# KiCad board Power Unit.kicad_pcb (continued)
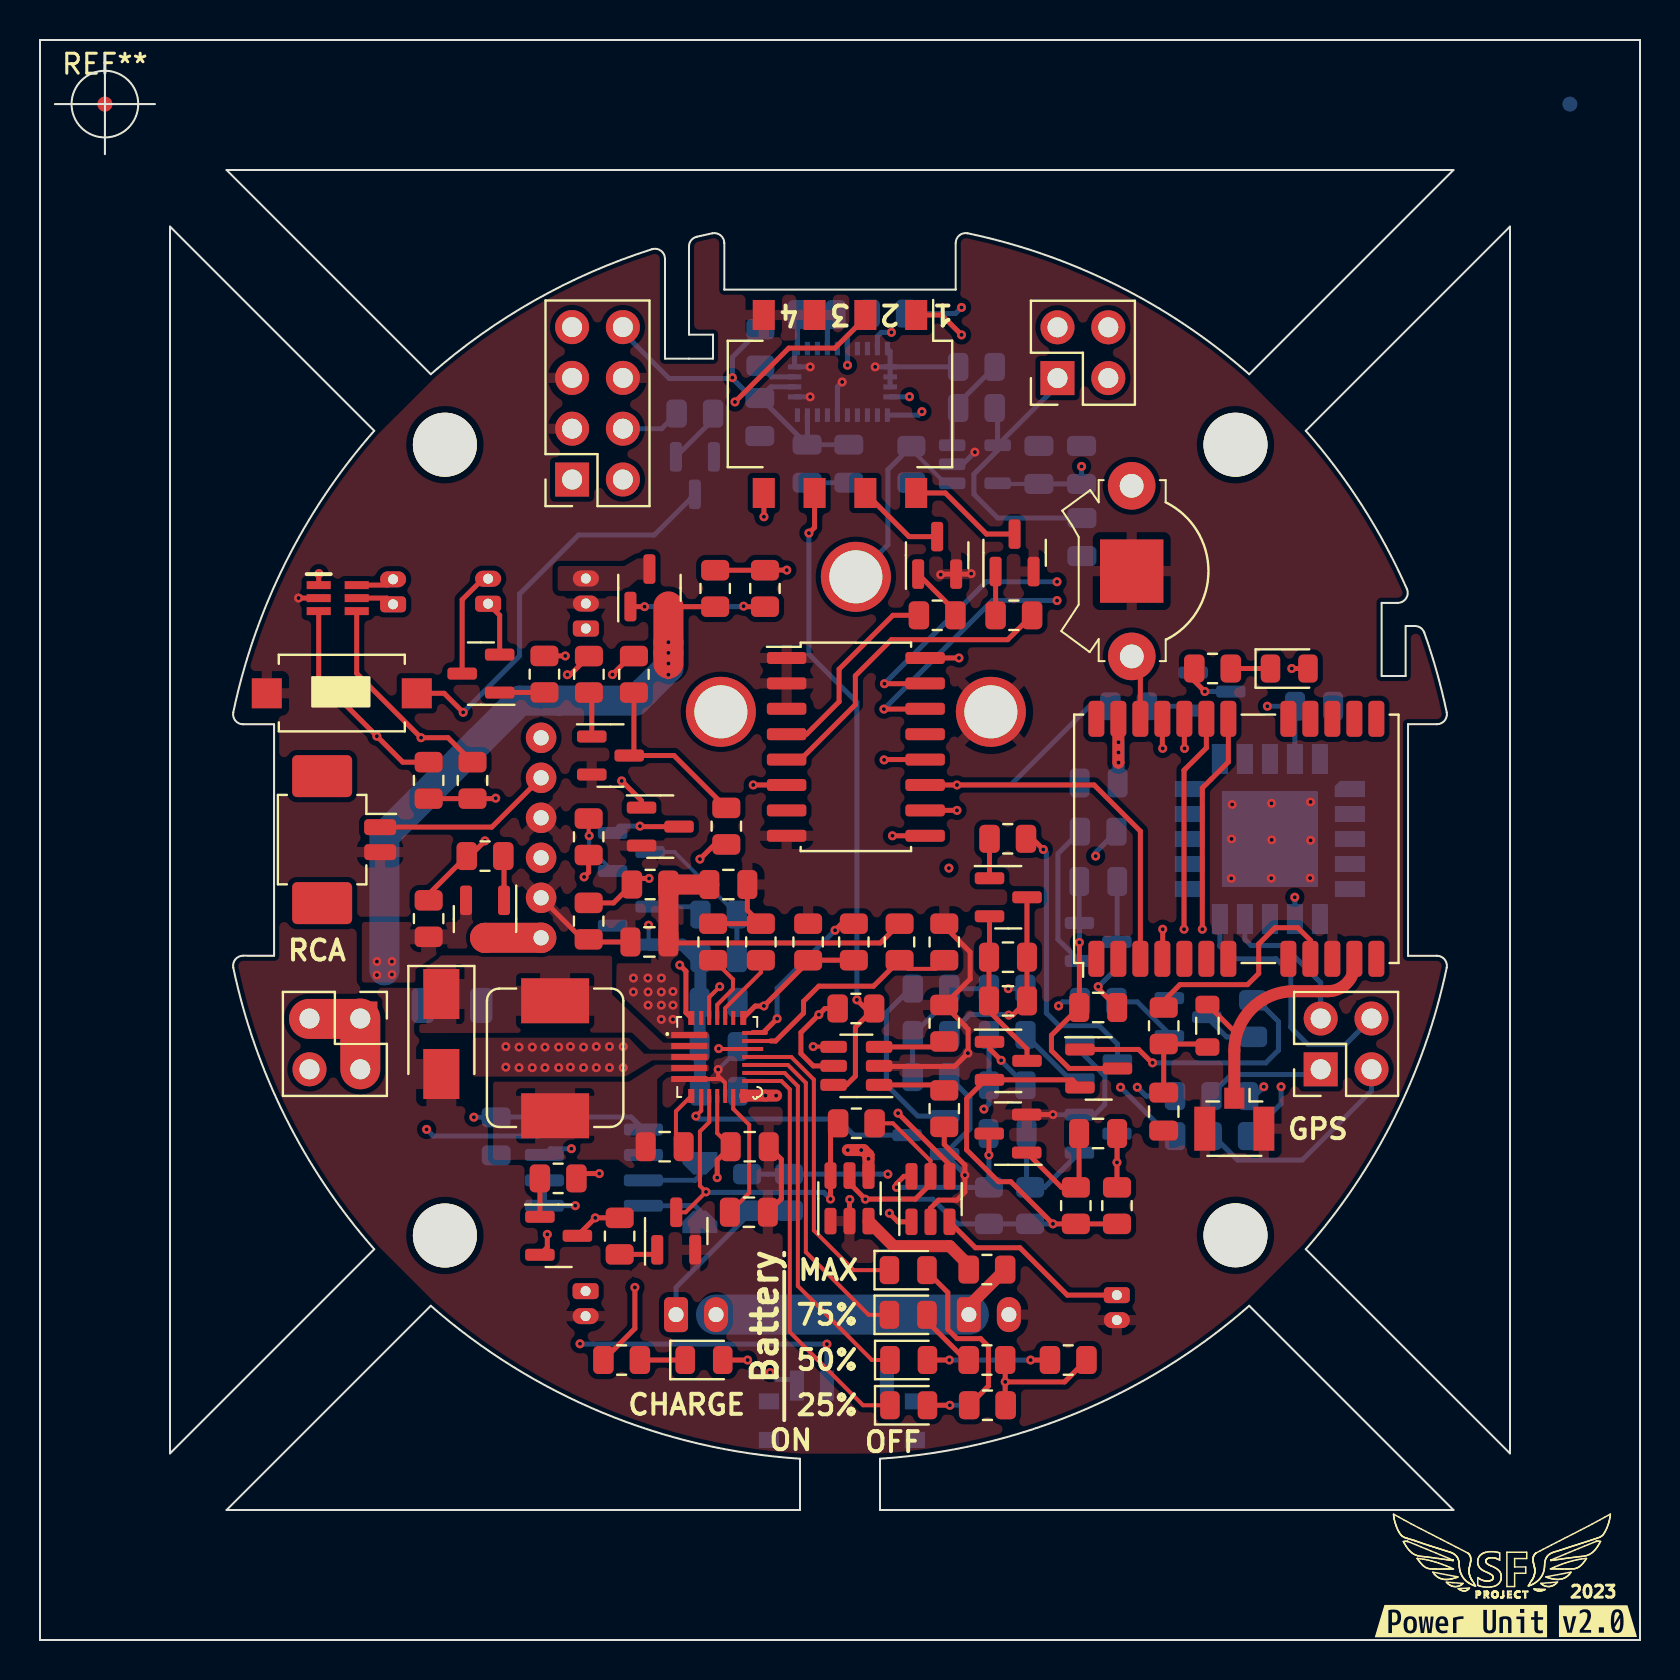
[diagram p0: board, top side]
## Nets
/Power Unit/GND: AE1001.2 BT302.2 BT1001.2 C401.1 C702.2 C703.2 C704.2 C705.2 C706.2 C707.2 C708.2 C801.2 C802.2 C803.2 C804.2 C901.2 C1001.1 C1002.1 C1101.2 C1102.2 C1103.2 D701.2 IC701.5 IC701.10 J101.3 J101.5 J101.6 J501.2 J502.2 Q201.2 Q202.2 Q203.2 Q204.2 Q206.2 Q209.2 Q210.2 Q301.2 Q302.2 Q1001.2 Q1203.2 Q1206.2 R218.2 R702.2 R703.2 R704.2 R707.2 R708.2 R709.2 R1101.2 R1103.1 R1204.1 RT702.2 SW201.3 SW201.4 SW202.1 SW203.1 TH301.2 TH302.2 U201.1 U201.2 U201.3 U201.8 U301.2 U401.6 U501.2 U601.2 U601.4 U701.2 U702.1 U702.2 U801.2 U801.5 U801.6 U801.15 U801.16 U801.17 U801.18 U801.25 U901.6 U901.20 U901.21 U1002.7 U1002.10 U1101.2 U1102.1
/Power Unit/VCC: C401.2 C801.1 C802.1 C803.1 C901.1 C1001.2 C1101.1 C1102.1 D1001.2 J101.7 J101.8 J102.3 R201.1 R202.1 R801.1 R802.2 U201.16 U401.1 U401.2 U401.5 U501.1 U801.3 U801.28 U901.7 U901.19 U1002.23 U1101.5
/Power Unit/VCC_5V: J104.1 J104.2 J104.3 R210.1
/Power Unit/VCC_{BCK}: C705.1 IC701.9 Q1201.2 Q1204.2 R205.1 R301.2 R302.2 R303.2 R304.2 R701.1 SW202.3 U301.5 U701.5 U702.5
/Power Unit/BAT_SENSE: J102.2 R216.2 R218.1
/Power Unit/BATT_INT: J101.4 R206.2
/Power Unit/Battery Pack/BAT_M: BT301.2 BT302.1 R715.2
/Power Unit/Battery Pack/NTC: IC701.20 RT701.1 RT702.1 U301.4
/Power Unit/Battery Pack/NTC_SWITCH: C301.1 Q301.3 R301.1 U301.6
/Power Unit/CAM_CONTROL: R501.1 U201.6
/Power Unit/Camera transmit/V_IN: Q212.3 U601.1
/Power Unit/Camera transmit/VIDEO: J501.1 J502.1 U601.5
/Power Unit/Camera/V_IN: J502.3 Q211.3
/Power Unit/CAMTRANS-FET: Q207.3 Q211.2 Q212.2 R219.1 R221.2
/Power Unit/CH_SLOW/FAST: R701.2 SW201.6 U701.6
/Power Unit/D delay/OUT: R208.2 R1201.2 R1203.2 R1204.2
/Power Unit/EXTINT_{GPS}: U201.10 U1002.4
/Power Unit/FPV_{SM_A}: J101.2 U601.6
/Power Unit/IMU_{INT}: J102.4 U801.14
/Power Unit/IS_CHARGE: Q208.3 R211.1 R217.1
/Power Unit/IS_USB: J101.1 Q208.2
/Power Unit/M_SWITCH: J104.4 R213.1 R1206.1 R1207.1 R1208.1 R1209.1 SW202.2
/Power Unit/MODE_{CH}: IC701.8 Q206.3 R205.2 U201.9 U702.6
/Power Unit/OXY_{OUT}: C1103.1 J102.1 R1102.2 U1101.4
/Power Unit/P_IN: BT301.1 R216.1 R401.1 U401.8
/Power Unit/P_OUT: C706.1 C707.1 C708.1 IC701.3 Q207.2 R207.1 R212.2 R401.2 U401.7
/Power Unit/RESET_{IMU}: R801.2 U201.12 U801.11
/Power Unit/SCL: J103.3 R201.2 U201.14 U401.4 U501.3 U801.19 U901.9
/Power Unit/SCL_{2}/TXD: J103.2 SW1002.2
/Power Unit/SDA: J103.4 R202.2 U201.15 U401.3 U501.4 U801.20 U901.10
/Power Unit/SDA_{2}/RXD: J103.1 SW1001.2
/Power Unit/SW_CAMERA: R219.2 R220.2 SW201.1
/Power Unit/SW_CAMERA_{IO}: R204.2 U201.4
/Power Unit/SW_CHARGE: R214.1 SW201.5
/Power Unit/SW_TRANSMIT: R221.1 R222.1 SW201.2
/Power Unit/SW_TRANSMIT_{IO}: R203.2 U201.5
/Power Unit/Switch-mode battery charger/BST: C701.2 IC701.6
/Power Unit/Switch-mode battery charger/FB: IC701.17 R704.1 R705.2
/Power Unit/Switch-mode battery charger/IB: IC701.21
/Power Unit/Switch-mode battery charger/ILIM: IC701.24 U701.4
/Power Unit/Switch-mode battery charger/ISET: IC701.23 R707.1
/Power Unit/Switch-mode battery charger/LX: D701.1 IC701.2 L701.2
/Power Unit/Switch-mode battery charger/OLIM: IC701.22 R708.1
/Power Unit/Switch-mode battery charger/SW: C701.1 IC701.4 L701.1
/Power Unit/Switch-mode battery charger/TMR: C704.1 IC701.11
/Power Unit/Switch-mode battery charger/VL: C702.1 C703.1 IC701.1 R210.2 R705.1 R706.1
/Power Unit/Switch-mode battery charger/VLIM: IC701.18 R706.2 R709.1
/Power Unit/Switch-mode battery charger/VNTC: D706.2 IC701.19 R711.1 R712.1 R713.1 R714.1 RT701.2
/Power Unit/Switch-mode battery charger/~{ACLK}: IC701.25
/Power Unit/Switch-mode battery charger/~{CHG}: IC701.26 R710.2
/Power Unit/Switch-mode battery charger/~{PB}: IC701.7 Q203.3 Q204.3 SW203.2
/Power Unit/TIMEPULSE_{GPS}: R1003.1 U201.11 U1002.3
Net-(AE1001-Pad1): AE1001.1 L1001.2 U1002.11
Net-(BT1001-Pad1): BT1001.1 U1002.22
Net-(C301-Pad2): C301.2 Q302.1 R302.1
Net-(C302-Pad1): C302.1 Q301.1 R303.1
Net-(C302-Pad2): C302.2 Q302.3 R304.1
Net-(C804-Pad1): C804.1 U801.9
Net-(C1002-Pad2): C1002.2 L1001.1 R1001.1
Net-(C1201-Pad1): C1201.1 C1202.1 Q1201.3 Q1202.2
Net-(C1201-Pad2): C1201.2 C1202.2 Q1202.3 R1201.1
Net-(C1203-Pad1): C1203.1 C1204.1 Q1204.3 Q1205.2
Net-(C1203-Pad2): C1203.2 C1204.2 Q1205.3 R1203.1
Net-(D702-Pad1): D702.1 IC701.13
Net-(D702-Pad2): D702.2 R711.2
Net-(D703-Pad1): D703.1 IC701.14
Net-(D703-Pad2): D703.2 R712.2
Net-(D704-Pad1): D704.1 IC701.15
Net-(D704-Pad2): D704.2 R713.2
Net-(D705-Pad1): D705.1 IC701.16
Net-(D705-Pad2): D705.2 R714.2
Net-(D706-Pad1): D706.1 R710.1
Net-(D1001-Pad1): D1001.1 R1002.1
Net-(IC701-Pad12): IC701.12 U702.4
Net-(J503-Pad1): J503.1 Q501.2
Net-(J503-Pad2): J503.2 Q501.3
Net-(J504-Pad1): J504.1 U501.5
Net-(J504-Pad2): J504.2 U501.6
Net-(Q201-Pad1): Q201.1 R203.1
Net-(Q201-Pad3): Q201.3 SW201.8
Net-(Q202-Pad1): Q202.1 R204.1
Net-(Q202-Pad3): Q202.3 SW201.7
Net-(Q203-Pad1): Q203.1 R206.1
Net-(Q204-Pad1): Q204.1 R208.1
Net-(Q205-Pad1): Q205.1 R213.2
Net-(Q205-Pad2): Q205.2 Q209.3
Net-(Q205-Pad3): Q205.3 R207.2 R209.2
Net-(Q206-Pad1): Q206.1 R211.2
Net-(Q207-Pad1): Q207.1 R209.1
Net-(Q208-Pad1): Q208.1 R214.2
Net-(Q209-Pad1): Q209.1 R215.2
Net-(Q210-Pad1): Q210.1 R217.2
Net-(Q210-Pad3): Q210.3 R212.1 R215.1
Net-(Q211-Pad1): Q211.1 R220.1
Net-(Q212-Pad1): Q212.1 R222.2
Net-(Q501-Pad1): Q501.1 R501.2
Net-(Q1001-Pad1): Q1001.1 R1003.2
Net-(Q1001-Pad3): Q1001.3 R1002.2
Net-(Q1201-Pad1): Q1201.1 R1202.2
Net-(Q1202-Pad1): Q1202.1 R1209.2
Net-(Q1203-Pad1): Q1203.1 R1208.2
Net-(Q1203-Pad3): Q1203.3 R1202.1
Net-(Q1204-Pad1): Q1204.1 R1206.2
Net-(Q1205-Pad1): Q1205.1 R1205.2
Net-(Q1206-Pad1): Q1206.1 R1207.2
Net-(Q1206-Pad3): Q1206.3 R1205.1
Net-(R702-Pad1): R702.1 U701.3
Net-(R703-Pad1): R703.1 U701.1
Net-(R715-Pad1): R715.1 U702.3
Net-(R802-Pad1): R802.1 U801.4
Net-(R1001-Pad2): R1001.2 U1002.9
Net-(R1101-Pad1): R1101.1 U1101.1 U1102.2
Net-(R1102-Pad1): R1102.1 R1103.2 U1101.3
Net-(SW1001-Pad1): SW1001.1 U1002.18
Net-(SW1001-Pad3): SW1001.3 U1002.20
Net-(SW1002-Pad1): SW1002.1 U1002.19
Net-(SW1002-Pad3): SW1002.3 U1002.21
Net-(TH301-Pad1): TH301.1 U301.3
Net-(TH302-Pad1): TH302.1 U301.1

Pads without a net: J501 MP; SW202 MP; U201 7 13; U601 3; U801 1 7 8 10 12 13 21 22 23 24 26 27; U901 1 2 3 4 5 8 11 12 13 14 15 16 17 18; U1002 1 2 5 6 8 12 13 14 15 16 17 24; U1102 3

## Via types
v1: diameter 0.45, hole 0.2, Top to Bottom, 171 vias

## Routing (per net, layer and track width the routed paths; a pad name or vN(x,y) marks a point on that pad's centre or on a via; arc(x,y) is an arc through that point)
/Power Unit/GND: length 72.9
  Top w0.2: 32.27,28.05 IC701.5 34.06,28.05 34.18,27.93 ; 34.18,27.93 33.91,28.2 v1(33.91,28.53) ; 34.18,27.93 34.26,27.85 IC701.10
  Top w0.25: C705.2 37.07,24.03 37.07,22.06 C704.2 ; Q301.2 v1(50.65,26.27) ; U301.2 44.52,21.59 44.93,21.99 45.84,21.99 46.24,22.39 v1(46.24,23.24) 46.24,23.75 45.21,24.78 R703.2 ; U702.2 40.47,22.01 v1(40.49,22.02) ; C702.2 27.56,34.9 R704.2 27.13,35.03 U601.2 ; R707.2 R708.2 35.37,36.49 C703.2 ; U501.2 12.93,52.09 v1(12.93,52.1) ; 41.96,28.71 U701.2 41.98,28.68 45.73,28.68 v1(46.39,29.34) 46.41,29.36 46.41,30.53 46.25,30.69 46.25,30.71 R702.2 46.51,33.05 46.51,34.39 45.21,35.69 R709.2 ; v1(46.56,53.32) 46.54,53.29 Q202.2 45.06,53.29 v1(45.04,53.27)
  Bottom w0.2: C707.2 34.89,29.5 v1(33.91,28.53)
  Bottom w0.25: U801.25 39.87,62.66 v1(40.11,62.9) ; U801.16 42.51,64.43 U801.15 ; U801.16 U801.18 ; U801.16 v1(41.76,63.66) ; U801.16 45.91,63.66 R1103.1 ; Q302.2 52.73,26.27 53.24,26.77 53.24,28.2 52,29.44 Q1206.2 ; Q302.2 50.65,26.27 v1(50.65,26.27) ; Q302.2 51.95,26.29 ; C802.2 C803.2 ; v1(38.51,63.66) 38.51,63.66 U801.5 37.73,64.43 U801.6 37.87,66.25 C804.2 ; v1(38.51,62.16) U801.2 ; v1(46.24,23.24) 46.24,23.28 Q204.2 46.49,25.56 46.49,27.11 R1204.1 45.46,28.41 v1(46.39,29.34) ; v1(46.74,59.39) 46.14,58.79 U1101.2
  vias: v1(59.58,40.05) v1(59.56,38.08) v1(59.61,41.78) v1(61.57,41.83) v1(61.56,38.09) v1(61.58,40.01) v1(63.53,41.9) v1(63.53,39.98) v1(63.5,38.1)
/Power Unit/VCC: length 55.7
  Top w0.25: R201.1 R202.1 22.76,42.07 v1(22.78,42.09) ; v1(13.95,53.32) 13.93,53.31 U501.1 ; U201.16 v1(45.95,49.1) ; D1001.2 v1(62.59,48.57)
  Top w0.6: U1002.23 53.92,43.88 v1(53.93,43.87)
  Bottom w0.2: C1101.1 47.92,57.8 U1101.5
  Bottom w0.25: C1101.1 C1102.1 v1(52.08,58.68) ; v1(46.08,66.63) 45.77,66.32 R801.1 ; 62.74,46.68 U901.19 ; U901.7 62.74,37.14 v1(62.74,37.14) ; U401.2 U401.1 v1(26.76,21.71) ; C803.1 C802.1 ; C803.1 38.37,59.78 U801.28 ; C803.1 36.02,62.1 C801.1 ; C801.1 36.55,62.66 U801.3 ; C801.1 35.59,62.1 34.62,63.07 ; J101.8 29.14,65.39 31.46,63.07 34.62,63.07 ; 34.62,63.07 v1(34.62,63.12) 34.62,64.14 R802.2 ; 30.17,25.54 29.56,26.15 22.82,26.15 C401.2 21.7,26.13 v1(21.69,26.14) ; C901.1 v1(61.37,46.69)
  Bottom w0.6: v1(53.93,44.88) 53.93,42.89 C1001.2
  vias: v1(53.93,44.38)
/Power Unit/VCC_5V: length 5.1
  Top w2: 13.45,31.05 15.99,31.05 ; J104.1 J104.3
/Power Unit/VCC_{BCK}: length 77.7
  Top w0.2: R205.1 42.65,25.83 44.52,23.96 U301.5 ; 33.86,23.09 v1(33.86,23.12) ; C705.1 33.86,25.34 IC701.9
  Top w0.25: U702.5 40.47,22.84 41.27,22.05 43.77,22.05 44.52,22.8 U301.5 ; C705.1 33.86,23.99 33.86,23.09 ; Q1201.2 51.62,28.01 Q1204.2 47.27,28.01 46.33,27.07 46.33,24.51 47.93,22.91 48.54,22.91 v1(50.65,20.81) R303.2 R304.2 ; R701.1 39.25,31.58 v1(38.94,31.27) 38.05,30.37 38.05,29.32 38.66,28.71 U701.5
  In1.Cu w0.25: v1(38.94,31.27) 39.5,30.71 39.5,23.96 41.27,22.19 v1(41.27,22.04)
  In2.Cu w0.2: 36.44,13.43 36.44,18.27
  In2.Cu w0.25: 36.44,18.52 36.44,18.27 36.44,18.32 36.64,18.52 ; 36.44,18.52 36.44,18.77 ; 36.44,18.52 36.64,18.52 ; v1(41.27,22.04) 41.27,20.8 38.99,18.52 36.64,18.52 ; v1(33.86,23.12) 33.86,21.73 36.44,19.14 36.44,18.77 ; 36.44,18.77 36.64,18.57 36.64,18.52 ; v1(36.5,13.37) 36.44,13.43
  Bottom w0.25: 37.84,13.02 36.85,13.02 v1(36.5,13.37) ; v1(50.65,20.81) R302.2 R301.2 45.87,20.81 44.64,22.04 v1(41.27,22.04)
/Power Unit/BAT_SENSE: length 51.4
  In1.Cu w0.25: J102.2 51.44,61.12 51.44,44.59 v1(45.44,38.59)
  In2.Cu w0.25: v1(42.39,23.29) 45.44,26.34 v1(45.44,38.59)
  Bottom w0.25: R216.2 R218.1 v1(42.39,23.29)
/Power Unit/BATT_INT: length 3
  Bottom w0.25: J101.4 31.07,60.56 R206.2
/Power Unit/Battery Pack/BAT_M: length 15.6
  Top w0.6: BT302.1 46.44,16.7 48.26,18.52 R715.2
  Bottom w2: BT301.2 BT302.1
/Power Unit/Battery Pack/NTC: length 20
  Top w0.25: U301.4 45.47,23.77 v1(42.9,26.34) ; IC701.20 35.76,31.7 36.19,31.7 v1(36.2,31.7) 38.41,33.91 RT702.1 RT701.1
  In2.Cu w0.25: v1(36.2,31.7) 37.62,31.7 42.9,26.42 v1(42.9,26.34)
/Power Unit/Battery Pack/NTC_SWITCH: length 9.5
  Top w0.25: U301.6 43.2,23.18 42.83,22.81 v1(42.83,22.63) ; v1(47.44,24.24) 47.44,25.31 Q301.3
  Bottom w0.25: v1(42.83,22.63) 42.83,22.63 R301.1 47.45,24.24 v1(47.44,24.24) 47.44,25.31 C301.1
/Power Unit/CAM_CONTROL: length 14.8
  Top w0.25: R501.1 v1(26.26,49.2) ; v1(35.66,42.75) U201.6
  In1.Cu w0.25: v1(35.66,42.75) 32.72,42.75 v1(26.26,49.2)
/Power Unit/Camera transmit/V_IN: length 2.8
  Top w1.5: U601.1 22.25,35.11 Q212.3
/Power Unit/Camera transmit/VIDEO: length 17.5
  Top w0.25: J501.1 22.59,40.64 U601.5
  In2.Cu w0.25: U601.5 27.29,45.35 J502.1
/Power Unit/CAMTRANS-FET: length 30.9
  Top w0.25: R219.1 31.43,51.66 Q211.2
  Top w1.5: Q211.2 v1(31.42,49.89) v1(31.42,49.36) v1(31.42,48.82)
  Bottom w1.5: v1(31.42,49.89) 31.42,48.62 29.77,46.97 23.98,46.97 17.22,40.21 17.22,33.48
  vias: v1(16.85,33.92) v1(16.85,33.25) v1(17.6,33.92) v1(17.6,33.27) v1(31.42,48.26)
/Power Unit/CH_SLOW/FAST: length 32.5
  Top w0.25: SW201.6 38.73,55.63 v1(38.44,55.34) ; U701.6 40.33,27.76 40.77,28.2 40.77,30.64 R701.2 41.28,31.58 v1(40.84,32.01)
  Bottom w0.25: v1(38.44,55.34) 38.44,49.29 40.84,46.89 v1(40.84,32.01)
/Power Unit/D delay/OUT: length 7.2
  Bottom w0.25: R1201.2 R208.2 45.47,32.08 R1203.2 43.63,30.25 R1204.2
/Power Unit/EXTINT_{GPS}: length 16.7
  Top w0.25: v1(45.85,41.48) U201.10 ; v1(56.13,35.54) 56.13,34.08 U1002.4
  In2.Cu w0.25: v1(45.85,41.48) 51.64,41.48 56.13,36.99 v1(56.13,35.54)
/Power Unit/FPV_{SM_A}: length 14.6
  In2.Cu w0.25: U601.6 25.05,52.57 29.14,56.66 J101.2
/Power Unit/IMU_{INT}: length 13.2
  In2.Cu w0.25: v1(42.57,65.38) 43.61,64.34 52.12,64.34 J102.4
  Bottom w0.25: U801.14 41.87,65.18 42.07,65.38 v1(42.57,65.38)
/Power Unit/IS_CHARGE: length 34.1
  Top w0.25: R217.1 26.51,48.26 v1(26.37,48.26) ; Q208.3 v1(27.76,21.11) R211.1
  In1.Cu w0.25: v1(27.76,21.11) 30.71,24.05 30.71,30.13 28.12,32.72 28.12,46.51 v1(26.37,48.26)
/Power Unit/IS_USB: length 44.6
  Top w0.25: v1(25.37,20.28) 25.37,19.63 Q208.2
  In2.Cu w0.25: v1(25.37,20.28) 25.37,21.35 20.45,26.27 20.45,53.75 24.72,58.02 J101.1
/Power Unit/M_SWITCH: length 106.9
  Top w0.25: R213.1 27.43,38.38 v1(27.2,38.15)
  In1.Cu w0.25: 13.45,28.51 13.45,28.41 17.88,23.98 26.98,23.98 29.92,26.93 29.92,29.77 27.2,32.49 v1(27.2,38.15) ; v1(52.78,39.2) 50.93,37.34 v1(50.93,31.7)
  In2.Cu w0.25: 13.45,28.51 15.47,26.5 19.22,26.5 24.74,20.97 24.74,17.07 v1(27,14.81) ; v1(50.93,31.7) 50.93,30.28 v1(47.19,26.54) 46.84,26.19 46.84,20.19 41.44,14.79 v1(39.34,14.79)
  Bottom w0.25: R1209.1 52.78,39.38 v1(52.78,39.2) ; v1(27,14.81) 27.02,14.79 v1(39.34,14.79) 39.34,14.79 SW202.2 ; R1208.1 51.13,31.91 v1(50.93,31.7) ; R1207.1 R1206.1 47.45,26.8 v1(47.19,26.54)
/Power Unit/MODE_{CH}: length 40.7
  Top w0.2: Q206.3 32.28,21.39 v1(33.3,22.41) 33,22.71 33,25.43 33.46,25.9 IC701.8 ; 39.52,22.05 v1(39.52,22.05)
  Top w0.25: R205.2 39.52,25.45 U702.6 39.52,22.05 ; v1(42.62,40.21) U201.9
  In1.Cu w0.25: v1(42.62,40.21) 41.2,40.21 37.77,36.78 37.77,23.8 v1(39.52,22.05)
  Bottom w0.25: v1(33.3,22.41) 33.33,22.38 39.19,22.38 v1(39.52,22.05)
/Power Unit/OXY_{OUT}: length 15.4
  Bottom w0.25: U1101.4 47.88,59.48 46.69,58.29 46.69,57.29 47.89,56.1 C1103.1 ; U1101.4 47.88,61.45 R1102.2 ; U1101.4 50.87,62.73 J102.1
/Power Unit/P_IN: length 10.3
  Bottom w0.25: 32.99,20.81 32.99,21.47 32.74,21.72 32.09,21.72 32.09,21.71 U401.8 ; R216.1 35.36,21.19 31.8,17.63 BT301.1
/Power Unit/P_OUT: length 20
  Top w0.25: v1(32.99,39.04) 33.73,39.78 R212.2
  In2.Cu w0.25: v1(32.99,39.04) 30.43,36.48 v1(30.43,35.74)
  Bottom w0.2: v1(30.43,35.74) 30.43,34.84 Q207.2
  Bottom w0.25: U401.7 32.76,22.98 32.99,23.22 32.99,23.73
  Bottom w0.6: R207.1 32.8,34.09 32.12,34.77 Q207.2 ; R207.1 33.02,31.92 C708.1 C707.1 33,29.66 C706.1 ; R207.1 33.02,34.04
  vias: v1(23.29,29.67) v1(23.29,28.64) v1(23.95,29.64) v1(23.95,28.62) v1(24.61,29.64) v1(24.61,28.62) v1(25.25,29.64) v1(25.25,28.62) v1(25.93,29.64) v1(25.93,28.62) v1(26.52,29.67) v1(26.52,28.64) v1(27.18,29.64) v1(27.18,28.62) v1(27.81,29.67) v1(27.81,28.62) v1(28.47,29.67) v1(28.47,28.62) v1(29.16,29.67) v1(29.16,28.62)
/Power Unit/RESET_{IMU}: length 26.3
  Top w0.25: v1(42.2,44) 42.22,44.02 U201.12
  In2.Cu w0.25: v1(40.38,63.74) 40.4,63.74 42.99,61.14 42.99,44.79 v1(42.2,44)
  Bottom w0.25: R801.2 40.37,65.21 U801.11 40.38,64.56 v1(40.38,63.74)
/Power Unit/SCL: length 139.5
  Top w0.25: R201.2 18.14,43.89 v1(16.84,45.19) 13.93,48.1 U501.3 ; v1(42.19,46.54) 44.24,46.54 U201.14
  In1.Cu w0.25: v1(43.47,62.16) 36.74,55.43 22.02,55.43 19.51,52.91 19.51,48.39 16.84,45.72 v1(16.84,45.19) 16.84,36.6 18.39,35.06 18.39,26.47 v1(19.33,25.53)
  In2.Cu w0.25: J103.3 65.08,32.12 65.08,43.85 56.96,51.97 v1(50.85,51.97) 43.47,59.35 v1(43.47,62.16)
  Bottom w0.25: v1(19.33,25.53) 19.66,25.2 24.89,25.2 U401.4 ; U801.19 43.47,62.16 v1(43.47,62.16) ; J103.3 64.03,32.87 62.18,34.72 60.55,34.72 60.24,35.04 U901.9 ; v1(42.19,46.54) 47.62,51.97 v1(50.85,51.97)
/Power Unit/SCL_{2}/TXD: length 11.1
  Bottom w0.25: 58.57,25.3 59.88,23.99 63.11,23.99 66.57,27.46 J103.2
/Power Unit/SDA: length 145.3
  Top w0.25: U501.4 15.83,48.33 v1(19.05,45.11) 20.4,45.11 R202.2 ; U201.15 44.24,47.81 v1(42.22,47.81)
  In1.Cu w0.25: v1(44.1,61.42) 43.66,61.42 37.02,54.77 22.44,54.77 20.3,52.63 20.3,48.01 19.05,46.76 v1(19.05,45.11) 19.05,26.95 21.44,24.56 v1(26.57,24.56)
  In2.Cu w0.25: v1(44.1,61.42) 44.1,59.67 v1(50.85,52.91) 57.03,52.91 66.52,43.42 66.52,31.13 J103.4
  Bottom w0.25: U801.20 43.92,61.24 v1(44.1,61.42) ; v1(50.85,52.91) 47.31,52.91 42.22,47.82 v1(42.22,47.81) ; U401.3 25.53,24.56 v1(26.57,24.56) ; J103.4 65.27,29.77 63.4,29.77 62.54,30.64 62.54,33.33 61.8,34.06 59.61,34.06 58.98,34.7 58.99,34.71 U901.10
/Power Unit/SDA_{2}/RXD: length 6
  Bottom w0.25: 58.6,27.19 58.6,27.3 59.58,28.27 63.77,28.27 J103.1
/Power Unit/SW_CAMERA: length 22
  Top w0.25: SW201.1 45.08,66.25 v1(46.08,65.26) ; R219.2 R220.2 36.25,53.5 v1(37.34,53.5)
  In1.Cu w0.25: v1(37.34,53.5) 38,53.5 46.08,61.58 v1(46.08,65.26)
/Power Unit/SW_CAMERA_{IO}: length 10
  Top w0.25: R204.2 42.65,51.23 39.96,48.54 39.96,46.92 38.33,45.29 U201.4
/Power Unit/SW_CHARGE: length 45.2
  Top w0.25: R214.1 27.06,23.32 v1(27.97,23.32) ; SW201.5 36.2,57.34 v1(36.2,56.16)
  In2.Cu w0.25: v1(27.97,23.32) 30.76,23.32 33.45,26.01 33.45,27.08 28.04,32.49 28.04,36.54 36.64,45.14 36.64,55.71 v1(36.2,56.16)
/Power Unit/SW_TRANSMIT: length 41.7
  Top w0.25: R221.1 19.43,37.29 R222.1 21.49,39.2 v1(22.25,39.96) ; SW201.2 41.27,66.12 39.75,64.6 37.44,64.6 v1(34.75,61.9)
  In2.Cu w0.25: v1(22.25,39.96) 23.52,41.23 23.52,52.28 27.86,56.62 27.86,58.42 28.7,59.26 32.11,59.26 v1(34.75,61.9)
/Power Unit/SW_TRANSMIT_{IO}: length 16.1
  Top w0.25: R203.2 48.39,50.02 42.57,50.02 40.77,48.21 40.77,46.76 38.02,44.02 U201.5
/Power Unit/Switch-mode battery charger/BST: length 2.9
  Top w0.2: IC701.6 31.8,26.44 31.8,24.67
/Power Unit/Switch-mode battery charger/FB: length 15.2
  Top w0.2: IC701.17 33.95,29.55 v1(33.94,29.57)
  Top w0.25: R704.1 28.68,36.86 R705.2 29.9,38.08 v1(30.46,38.08)
  In1.Cu w0.25: v1(30.46,38.08) 33.2,35.33 33.2,30.31 v1(33.94,29.57)
/Power Unit/Switch-mode battery charger/ILIM: length 8.7
  Top w0.2: v1(38.66,29.67) 39.67,29.67 U701.4 ; v1(33.99,32.67) 33.46,32.14 IC701.24
  In2.Cu w0.25: v1(33.99,32.67) 34.14,32.67 37.14,29.67 v1(38.66,29.67)
/Power Unit/Switch-mode battery charger/ISET: length 3.6
  Top w0.2: IC701.23 33.86,31.76 34.65,32.55 34.65,33.04 33.7,33.99 R707.1
/Power Unit/Switch-mode battery charger/OLIM: length 3.6
  Top w0.2: R708.1 36.04,33.38 34.26,31.6 IC701.22
/Power Unit/Switch-mode battery charger/TMR: length 6.5
  Top w0.2: C704.1 35.46,22.36 35.46,25.76 34.66,26.56 IC701.11
/Power Unit/Switch-mode battery charger/VL: length 17.1
  Top w0.25: 32.26,30.25 IC701.1 ; R706.1 42.01,34.85 31.47,34.85 C702.1
  Top w1: C702.1 R705.1 C703.1
  vias: v1(29.67,33.1) v1(29.67,32.4) v1(30.4,33.1) v1(30.4,32.4) v1(30.4,31.74) v1(31.07,33.1) v1(31.07,32.4) v1(31.07,31.74) v1(31.07,31.03) v1(31.65,32.43) v1(31.65,31.74) v1(31.65,31.03)
/Power Unit/Switch-mode battery charger/VLIM: length 12
  Top w0.2: R706.2 43.41,33.56 44.78,33.56 R709.1 ; IC701.18 36.53,29.95
  Top w0.25: R706.2 41.68,32.69 38.94,32.69 38.18,31.93 38.18,31.35 36.78,29.95 36.53,29.95
/Power Unit/Switch-mode battery charger/VNTC: length 55.6
  Top w0.2: 36.3,30.35 IC701.19
  Top w0.25: v1(48.26,12.9) 48.26,12.91 R713.1 ; v1(48.26,12.9) 51.23,12.9 R712.1 ; v1(48.26,12.9) 48.26,11.76 R714.1 ; v1(36.86,31.07) 36.16,30.38 35.64,30.38 ; v1(39.75,35.49) 40.08,35.82 RT701.2 ; D706.2 v1(35.38,14)
  In1.Cu w0.25: 43.59,13.72 43.56,13.72 43.28,14 ; 43.59,13.72 43.59,14 ; 43.59,13.72 43.59,13.62 44.3,12.9 v1(48.26,12.9) ; v1(35.38,14) 43.28,14 ; 43.28,14 43.59,14 ; 43.28,14 43.59,14.3 ; 43.59,14 43.59,14.3 ; 43.59,14.3 43.59,31.65 v1(39.75,35.49)
  Bottom w0.25: v1(48.26,12.9) 48.26,11.76 R714.1 ; v1(39.75,35.49) 36.86,32.59 v1(36.86,31.07)
/Power Unit/Switch-mode battery charger/~{CHG}: length 25.9
  Top w0.25: v1(31.99,33.75) 32.3,33.44 32.3,31.37 IC701.26 ; v1(29.74,17.63) 29.74,15.57 R710.2
  In2.Cu w0.25: v1(29.74,17.63) 29.74,21.52 33.99,25.76 33.99,27.44 32.44,28.98 32.44,33.3 v1(31.99,33.75)
/Power Unit/Switch-mode battery charger/~{PB}: length 62.8
  Top w0.2: IC701.7 33.06,26.46 v1(32.79,26.19)
  Top w0.25: v1(21.16,46.38) 20.21,47.33 SW203.2
  In2.Cu w0.25: v1(32.79,26.19) 32.65,26.05 24.45,26.05 21.16,29.33 v1(21.16,46.38)
  Bottom w0.25: Q204.3 40.69,25.24 39.89,26.05 32.94,26.05 v1(32.79,26.19) ; v1(21.16,46.38) 23.98,49.2 23.98,52.3 26.92,55.25 30.71,55.25 Q203.3
/Power Unit/TIMEPULSE_{GPS}: length 27.4
  Top w0.25: U201.11 v1(45.85,42.75) 52.71,42.75 55.02,40.44 U1002.3
  Bottom w0.25: R1003.1 52.48,46.69 48.54,42.75 v1(45.85,42.75)
Net-(AE1001-Pad1): length 14
  Top w0.25: L1001.2 59.72,30.43 59.72,29.47
  Top w0.6: AE1001.1 59.72,29.47 arc(60.59,31.57) 62.69,32.44 64.39,32.44 arc(65.33,32.83) 65.72,33.77 U1002.11
Net-(BT1001-Pad1): length 11.8
  Top w0.25: U1002.22 55.02,48.75 BT1001.1
  In1.Cu w0.25: BT1001.1 54.59,57.7 BT1001.1
Net-(C301-Pad2): length 6
  Bottom w0.25: C301.2 49.33,22.81 R302.1 50.24,22.63 Q302.1
Net-(C302-Pad1): length 5.9
  Top w0.25: C302.1 51.95,22.79 R303.1 51.08,22.63 Q301.1
Net-(C302-Pad2): length 4.1
  Top w0.25: R304.1 v1(53.85,23.88) 53.85,23.88 C302.2
  Bottom w0.25: v1(53.85,23.88) Q302.3
Net-(C804-Pad1): length 1.9
  Bottom w0.25: U801.9 39.37,65.85 C804.1
Net-(C1002-Pad2): length 4.7
  Top w0.25: L1001.1 58.22,29.8 R1001.1 C1002.2
Net-(C1201-Pad1): length 12.7
  Top w0.25: Q1201.3 51.46,28.58 50.57,29.47 50.57,30.24 C1202.1 51.97,31.64 v1(51.97,34.88)
  Bottom w0.25: v1(51.97,34.88) 51.97,35.85 Q1202.2 51.96,35.87 C1201.1
Net-(C1201-Pad2): length 12.5
  Top w0.25: v1(52.91,32.67) 52.91,32.58 C1202.2
  In2.Cu w0.25: v1(48.41,32.57) 52.81,32.57 v1(52.91,32.67)
  Bottom w0.25: v1(52.91,32.67) 53.85,33.61 Q1202.3 53.86,34.92 C1201.2 ; R1201.1 v1(48.41,32.57)
Net-(C1203-Pad1): length 8
  Top w0.25: Q1204.3 49.35,29.55 47.45,31.45 C1203.1 C1204.1 47.48,34.17 Q1205.2
Net-(C1203-Pad2): length 9.8
  Top w0.25: v1(48.44,31.25) 48.64,31.25 C1203.2 C1204.2 49.35,37.14 Q1205.3
  Bottom w0.25: R1203.1 46.49,31.28 48.4,31.28 v1(48.44,31.25)
Net-(D702-Pad1): length 20.7
  Top w0.2: IC701.13 37.07,27.95 37.49,27.52 37.49,27.52 37.49,15.4 41.15,11.74 D702.1
Net-(D702-Pad2): length 2.1
  Top w0.25: D702.2 v1(45.49,11.74)
  Bottom w0.25: v1(45.49,11.74) R711.2
Net-(D703-Pad1): length 18.7
  Top w0.2: D703.1 41.6,14 37.89,17.7 37.89,27.69 37.23,28.35 IC701.14
Net-(D703-Pad2): length 6.1
  Top w0.25: v1(45.47,14) D703.2 ; v1(49.53,14) R712.2
  Bottom w0.25: v1(45.47,14) v1(49.53,14)
Net-(D704-Pad1): length 17
  Top w0.2: IC701.15 37.4,28.75 38.29,27.86 38.29,19.4 41.43,16.26 D704.1
Net-(D704-Pad2): length 3.2
  Top w0.25: D704.2 44.35,15.94 46.29,14 R713.2
Net-(D705-Pad1): length 15.7
  Top w0.2: IC701.16 37.56,29.15 38.69,28.02 38.69,20.48 40.68,18.49 D705.1
Net-(D705-Pad2): length 9.1
  Top w0.25: D705.2 44.35,18.42 45.39,17.38 45.39,15.53 45.85,15.07 47.03,15.07 47.42,14.68 47.42,12.7 R714.2
Net-(D706-Pad1): length 2.3
  Top w0.25: R710.1 D706.1
Net-(D1001-Pad1): length 2
  Top w0.25: R1002.1 D1001.1
Net-(IC701-Pad12): length 10.2
  Top w0.6: U702.4 v1(41.42,24.06) 41.42,24.25 41.17,24.5 v1(41.06,24.5) v1(40.39,24.5) ; v1(36.81,27.22) v1(36.27,27.22) 35.26,27.22 35.26,27.2
  In2.Cu w0.6: v1(41.42,24.06) 41.42,24.25 41.17,24.5 ; v1(41.06,24.5) v1(40.39,24.5) 37.67,27.22 v1(36.27,27.22)
Net-(J503-Pad1): length 2.8
  Top w0.25: Q501.2 22.98,51.24 J503.1
Net-(J503-Pad2): length 5.4
  Top w0.25: Q501.3 21.11,52.02 22.16,53.06 J503.2
Net-(J504-Pad1): length 1.9
  Top w0.25: U501.5 17.34,52.09 J504.1
Net-(J504-Pad2): length 1.9
  Top w0.25: U501.6 17.36,52.74 J504.2
Net-(Q201-Pad1): length 2.2
  Top w0.25: R203.1 Q201.1
Net-(Q201-Pad3): length 5.6
  Top w0.25: 43.94,57.35 45.27,57.35 47.32,55.3 Q201.3
Net-(Q202-Pad1): length 2.8
  Top w0.25: Q202.1 45.77,51.43 R204.1
Net-(Q202-Pad3): length 4.5
  Top w0.25: Q202.3 43.45,55.17 SW201.7
Net-(Q203-Pad1): length 2.9
  Bottom w0.25: Q203.1 33.65,61.02 R206.1
Net-(Q204-Pad1): length 9
  Bottom w0.25: Q204.1 43.89,26.19 42.32,27.77 42.32,31.37 43.51,32.57 R208.1
Net-(Q205-Pad1): length 3.1
  Top w0.2: R213.2 27.43,40.24 v1(27.46,40.21)
  Bottom w0.2: Q205.1 27.46,39.62 v1(27.46,40.21)
Net-(Q205-Pad2): length 3.5
  Top w0.25: v1(30,40.69) 30.02,40.67 Q209.3
  Bottom w0.25: Q205.2 28.97,40.69 v1(30,40.69)
Net-(Q205-Pad3): length 7.8
  Bottom w0.2: R209.2 31.72,39.4 Q205.3
  Bottom w0.25: R207.2 R209.2
Net-(Q206-Pad1): length 2
  Top w0.25: R211.2 30.63,19.28 Q206.1
Net-(Q207-Pad1): length 2.7
  Bottom w0.25: Q207.1 32.63,36.67 R209.1
Net-(Q208-Pad1): length 1.9
  Top w0.25: Q208.1 R214.2
Net-(Q209-Pad1): length 8.7
  Top w0.25: Q209.1 30.08,41.96 v1(29.08,42.95) ; R215.2 29.55,49.2 v1(28.62,48.27)
  In2.Cu w0.25: v1(28.62,48.27) 28.62,43.42 v1(29.08,42.95)
Net-(Q210-Pad1): length 2.3
  Top w0.25: R217.2 27.59,47.23 Q210.1
Net-(Q210-Pad3): length 9.2
  Top w0.25: R212.1 31.7,44.22 Q210.3 29.7,44.46 R215.1
Net-(Q211-Pad1): length 6.7
  Top w0.25: R220.1 35.21,51.66 v1(35.18,51.69) ; Q211.1 29.53,51.67 v1(30.23,51.67)
  Bottom w0.25: v1(35.18,51.69) 35.15,51.67 v1(30.23,51.67)
Net-(Q212-Pad1): length 2.2
  Top w0.25: Q212.1 23.2,39.16 R222.2
Net-(Q501-Pad1): length 2.2
  Top w0.25: R501.2 22.99,47.38 Q501.1
Net-(Q1001-Pad1): length 2.4
  Bottom w0.25: R1003.2 57.45,46.69 Q1001.1
Net-(Q1001-Pad3): length 2.7
  Top w0.25: R1002.2 57.71,47.95 v1(58.24,47.42)
  Bottom w0.25: v1(58.24,47.42) Q1001.3
Net-(Q1201-Pad1): length 13.6
  Top w0.25: Q1201.1 54.93,29.53 55.6,28.86 v1(55.63,28.86)
  Bottom w0.25: v1(55.63,28.86) 61.29,28.86 61.93,29.49 61.93,30.91 60.86,31.98 R1202.2
Net-(Q1202-Pad1): length 7.4
  Bottom w0.25: 51.97,33.95 50.89,35.03 50.89,39.31 R1209.2
Net-(Q1203-Pad1): length 3.4
  Bottom w0.25: R1208.2 54.86,31.91 56.47,30.3 Q1203.1
Net-(Q1203-Pad3): length 2.7
  Bottom w0.25: R1202.1 59.33,30.15 Q1203.3
Net-(Q1204-Pad1): length 2.9
  Top w0.25: v1(48.06,28.98) 47.48,29.57 Q1204.1
  Bottom w0.25: v1(48.06,28.98) 48.06,28.96 R1206.2
Net-(Q1205-Pad1): length 2
  Top w0.25: Q1205.1 47.48,40.06
Net-(Q1206-Pad1): length 3.6
  Bottom w0.25: Q1206.1 51.5,28.03 R1207.2
Net-(Q1206-Pad3): length 14.3
  Top w0.25: v1(50.17,39.53) 49.63,40.06 R1205.1
  Bottom w0.25: v1(50.17,39.53) 50.32,39.37 50.32,31.35 50.95,30.71 52.96,30.71 53.87,29.8 Q1206.3
Net-(R702-Pad1): length 3.4
  Top w0.25: R702.1 44.94,29.66 U701.3
Net-(R703-Pad1): length 3.4
  Top w0.25: U701.1 44.94,27.76 R703.1
Net-(R715-Pad1): length 6.1
  Top w0.6: R715.1 46.43,18.75 45.49,19.69 42.68,19.69 U702.3
Net-(R802-Pad1): length 1.9
  Bottom w0.25: U801.4 36.57,63.16 R802.1
Net-(R1001-Pad2): length 11.2
  Top w0.25: U1002.9 63.52,34.99 62.89,35.61 61.75,35.61 60.94,34.8 60.94,33.33 60.38,32.77 57,32.77 56.19,31.96 R1001.2
Net-(R1101-Pad1): length 10.6
  Bottom w0.2: U1101.1 45.26,57.84 43.57,59.53 R1101.1
  Bottom w0.25: U1102.2 42.39,54.76 42.39,58.52 R1101.1
Net-(R1102-Pad1): length 4.8
  Bottom w0.25: R1103.2 45.91,61.83 R1102.1 45.61,61.3 U1101.3
Net-(SW1001-Pad1): length 21.2
  Top w0.25: v1(58.12,35.54) 58.12,42.6 59.42,43.9 U1002.18
  In2.Cu w0.25: v1(58.12,35.54) 61.19,32.46 v1(61.19,27.66)
  Bottom w0.25: 60.43,27.19 60.72,27.19 v1(61.19,27.66)
Net-(SW1001-Pad3): length 21.5
  Top w0.25: v1(57.23,44.58) 57.22,44.59 U1002.20
  In1.Cu w0.25: v1(57.23,44.58) 54.86,42.22 v1(54.86,27.64)
  Bottom w0.25: v1(54.86,27.64) 55.31,27.19 56.78,27.19
Net-(SW1002-Pad1): length 24
  Top w0.25: U1002.19 58.32,44.6 57.2,43.49 v1(57.2,35.54)
  In1.Cu w0.25: v1(62.05,27.66) 62.05,30.58 57.2,35.44 v1(57.2,35.54)
  Bottom w0.25: v1(62.05,27.66) 62.05,26.82 60.43,25.19
Net-(SW1002-Pad3): length 23.1
  Top w0.25: U1002.21 56.12,44.6 v1(56.13,44.58)
  In1.Cu w0.25: v1(54.03,27.64) 54.03,42.47 v1(56.13,44.58)
  Bottom w0.25: 56.78,25.19 56.47,25.19 v1(54.03,27.64)
Net-(TH301-Pad1): length 9.9
  Top w0.25: TH301.1 51.37,17.24 49,19.61 46.77,19.61 U301.3
Net-(TH302-Pad1): length 18.1
  Top w0.25: U301.1 42.9,20.91 v1(42.47,21.34)
  In1.Cu w0.25: v1(42.47,21.34) 31.54,21.34 27.64,17.44 TH302.1

## Copper pours and planes (outline as drawn; the poured copper is in the pictures)
/Power Unit/GND on Top, Bottom: 26.85,71.62 51.38,72.13 60.27,63.11 63.11,60.26 72.19,50.57 73,27.29 63.13,19.75 60.26,16.87 52.84,9.85 42.08,9.32 38.01,9.31 26.62,8.86 19.71,16.89 16.88,19.72 8.58,23.87 8.76,51.71 16.89,60.28 19.74,63.12
/Power Unit/VCC on In1.Cu: 26.85,71.63 51.38,72.14 60.27,63.12 63.11,60.27 72.19,50.58 73,27.3 63.13,19.76 60.26,16.88 52.84,9.86 42.08,9.33 38.01,9.32 26.62,8.87 19.71,16.9 16.88,19.73 8.58,23.88 8.76,51.72 16.89,60.29 19.74,63.13
/Power Unit/VCC_5V on Bottom: 20.14,26.81 12.5,26.76 12.5,32.88 20.14,32.88
/Power Unit/Camera/V_IN on Top: 30.76,53.01 29.87,53.01 29.21,52.45 25.88,52.45 25.88,53.7 29.21,53.7 29.87,54.08 30.76,54.08
/Power Unit/CAMTRANS-FET on Top: 20.85,37.85 21.74,37.85 21.74,34.57 20.27,34.57 18.77,33.52 18.77,32.87 16.1,32.87 16.1,35.9 20.85,35.9
/Power Unit/CAMTRANS-FET on Bottom: 29.46,34.55 27.47,32.9 16.47,32.9 16.47,34.2 26.37,34.19 27.79,35.31 27.79,36.15 29.46,36.15
/Power Unit/P_IN on Bottom: 33.89,20.92 33.89,19.62 32.73,18.62 32.73,15.02 30.22,15.02 30.22,18.63 32.1,19.61 32.09,20.92
/Power Unit/P_OUT on Top: 33.46,28.97 30.61,28.98 29.28,28.17 21.63,28.17 21.63,30.12 29.44,30.12 30.2,29.32 33.46,29.32
/Power Unit/P_OUT on Bottom: 21.63,30.22 32.18,30.22 32.17,33.72 31.65,34.37 29.64,34.37 29.64,35.21 33.02,35.21 33.88,34.29 33.89,23.82 32.09,23.82 32.09,24.39 29.59,27.15 21.63,27.16
/Power Unit/Switch-mode battery charger/LX on Top: 28.61,34.22 28.61,32.27 31.16,29.87 33.46,29.87 33.46,29.52 30.49,29.52 29.6,30.37 18.96,30.34 18.95,34.23
/Power Unit/Switch-mode battery charger/SW on Top: 28.91,24.02 29.46,23.6 30.86,23.6 30.86,28.04 31.29,28.4 33.46,28.42 33.46,28.77 30.78,28.77 29.46,27.92 22.65,27.92 22.65,24.01
/Power Unit/Switch-mode battery charger/VL on Top: 32.18,30.42 33.46,30.42 33.46,30.07 31.36,30.07 28.8,32.46 28.83,33.84 30.56,33.84 30.56,36.71 32.18,36.71
/Power Unit/Switch-mode battery charger/VL on Bottom: 32.03,30.6 21.08,30.6 21.08,32.88 27.95,32.88 29.06,33.77 32.03,33.77

## Text on the board
B.Silkscreen: 2023 | UART | I^{2}C
F.Silkscreen: 2023 | RCA | Battery
